# Altium PCB Fuel_Dispenser_Controller_V1.0.0.PcbDoc (part 2 of 4) (continued)
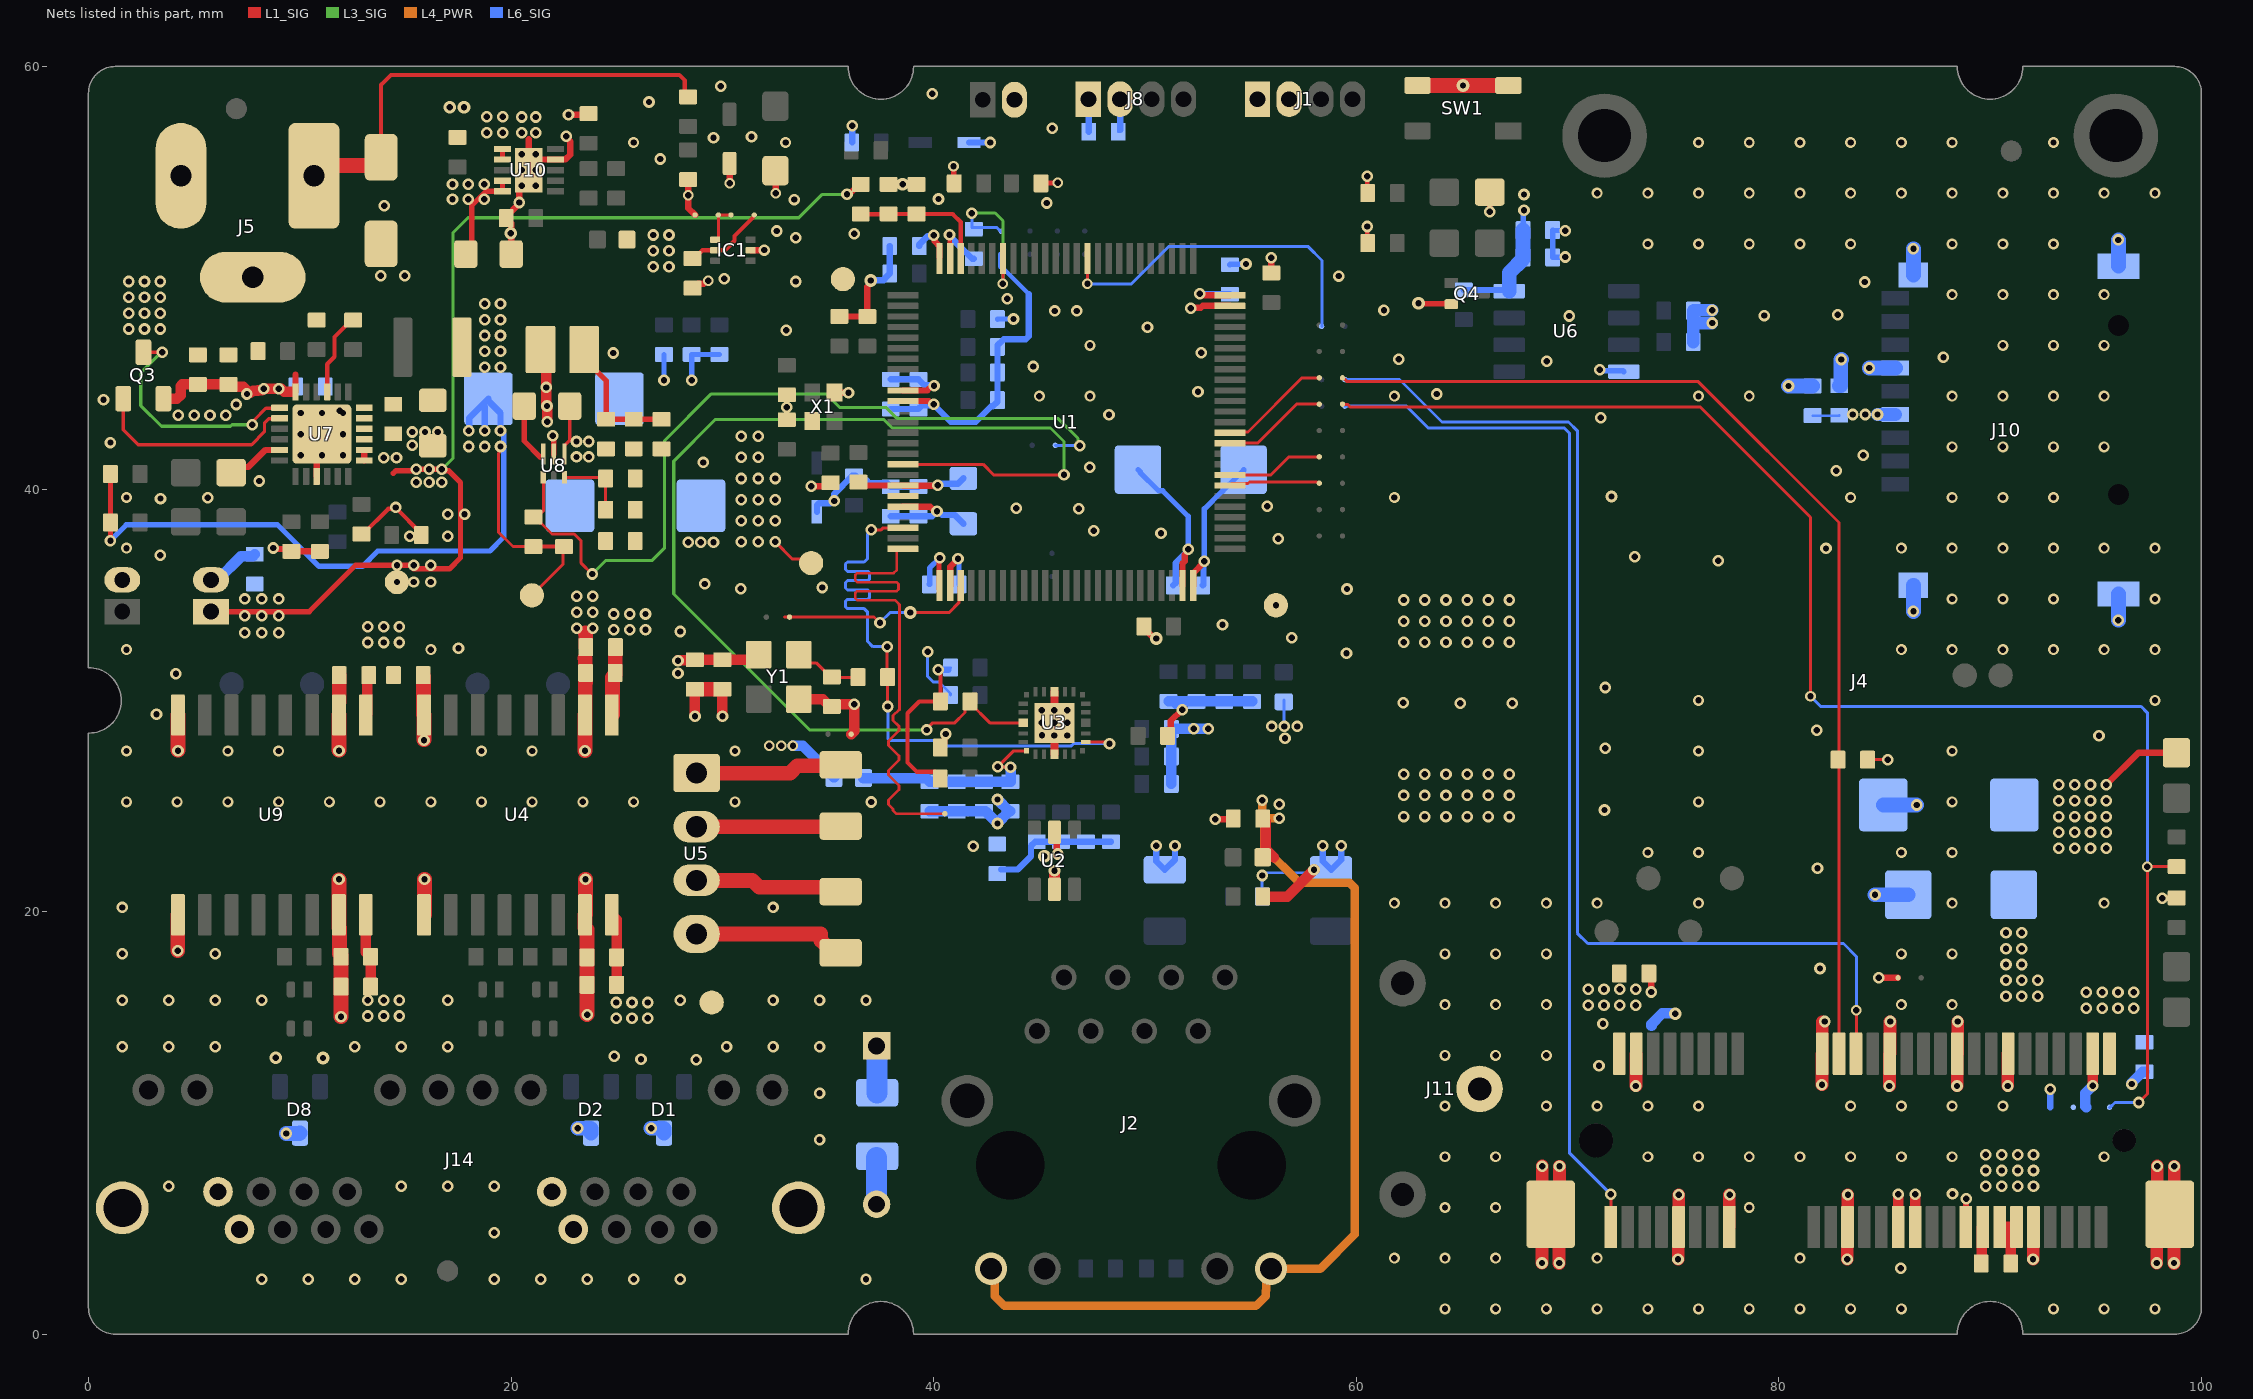
[diagram p6: the nets of this part, all layers, seen from the top]
## Nets (pads, with @x,y where several pads share a name; then routed paths per layer and width w, separated by ;. In a path a pad name is that pad's centre, name@x,y a point inside that pad or via, vN(x,y) a via of type N, cw(c..) or ccw(c..) an arc to the next point about the centre after c; other vN are vias at no path point) (continued)
  L1_SIG w0.7: U4.1@24.795,29.325 24.795,31.085 24.93,31.22 24.93,32.402 24.94,32.412 C26.2@24.94,32.515 ; U5.2@28.78,24.02 C29.2@35.57,24.02
  L4_PWR w0.4: J2.9@42.715,3.1 42.885,2.93 42.885,1.809 43.354,1.34 55.252,1.34 55.721,1.809 55.721,2.066 55.749,2.094 55.749,2.884 J2.12@55.965,3.1 58.3,3.1 59.92,4.72 59.92,21.131 59.686,21.365 57.31,21.365 55.638,23.036 55.638,24.336 55.575,24.4 ; 55.553,24.422 v1@55.553,25.186 ; 55.597,24.422 v1(56.361,24.422)
  L6_SIG w0.12: R4.2@40.7,31.45 R4.2@40.8,31.55 ; C79.2@48.74,56.91 C79.2@48.825,56.995 ; C64.2@81.6,43.48 82.85,43.48 C62.2@82.86,43.49
  L6_SIG w0.142: v1@56.59,28.88 FB4.2@56.59,30.02
  L6_SIG w0.2: 43.2,50.53 44.5,49.23
  L6_SIG w0.254: v1@28.55,45.14 R42.2@28.55,46.37 R43.2@29.86,46.37 ; v1(41.15,36.7) 41.2,36.65 C8.2@41.2,35.49 ; v1(52.81,36.58) 52.81,39.06 53.647,39.897 53.676,39.897 54.67,40.891 C12.1@54.67,40.92 ; U6.8@67.183,49.42 U6.8@67.238,49.365 ; C36.2@67.893,52.255 67.91,52.272 v1@67.91,53.2 ; 75.95,47.7 76.09,47.84 ; v1@76.83,47.84 v1(76.85,47.86)
  L6_SIG w0.3: C3.2@37.97,38.71 37.975,38.715 39.275,38.715 C4.2@39.28,38.72 39.94,38.72 40.16,38.94 v1(40.16,38.95) 40.227,38.95 40.405,38.772 40.993,38.772 C11.2@41.41,38.355 ; C9.2@37.97,43.79 C5.2@39.28,43.79 39.463,43.973 39.963,43.973 v1(40.01,44.02) 40.01,43.99 40.81,43.19 42,43.19 42.722,43.912 42.797,43.912 43.02,44.135 R23.2@43.02,44.21 R21.2@43.02,46.73 43.02,46.805 43.31,47.095 44.359,47.095 44.5,47.236 44.5,49.23 ; C10.2@39.32,51.5 39.32,51.575 39.707,51.962 39.952,51.962 v1(40,52.01) ; v1@40.18,31.45 R4.2@40.7,31.45 ; 43.2,50.53 SB25.1@43.2,51.1 ; C13.2@43.205,21.995 43.985,21.995 44.605,22.615 44.605,23.11 44.805,23.31 R6.2@44.88,23.31 R7.2@46.03,23.31 R8.2@47.21,23.31 R9.2@48.39,23.31 ; C79.2@48.825,56.995 J8.2@48.825,58.45 ; v1(52.59,49.25) 52.605,49.235 54.005,49.235 C6.2@54.02,49.22 ; C7.2@52.74,35.44 52.775,35.475 52.775,36.545 v1(52.81,36.58) ; R31.2@65.09,49.42 U6.8@67.183,49.42
  L6_SIG w0.5: v4(33.34,27.85) 33.81,27.85 35.13,26.53 35.13,26.502 35.267,26.365 FB3.2@35.295,26.365 ; R5.2@51.25,26.05 R3.2@51.25,27.35 R2.2@51.25,28.65 v1(52.31,28.65) v1(52.99,28.65)
  L6_SIG w0.6: R29.2@75.95,46.96 75.95,47.7 R30.2@75.95,48.44 75.97,48.46 v1(76.85,48.46) ; 76.09,47.84 v1@76.83,47.84 ; v1(84.67,43.53) J10.4@85.52,43.53
  L6_SIG w0.7: U6.8@67.238,49.365 67.238,50.233 67.893,50.888 C37.2@67.893,50.963 C36.2@67.893,52.255
  other v1: 56.361,25.08 55.553,25.266 56.63,28.2 56.001,28.766 56.601,28.766 57.201,28.766 27.9,31.29 40.22,31.45 13.217,32.737 13.967,32.737 14.717,32.737 24.862,33.337 25.612,33.337 26.362,33.337 13.217,33.487 13.967,33.487 14.717,33.487 24.862,34.087 25.612,34.087 26.362,34.087 83.5,43.53 84.085,43.53 28.55,45.15 26.725,50.525 27.475,50.525 26.725,51.275 27.475,51.275 26.725,52.025 27.475,52.025 67.94,53.19 67.94,53.94
  other v4: 32.22,27.85 32.78,27.85 40.94,55.27
  other v5: 45.25,22.62 56.2,34.5
3V3_SW_5: L4.1 U8.5 | length 4.4
  L1_SIG w0.254: U8.5@22.025,41.652 v1@22.025,42.52
  L1_SIG w0.5: L4.1@21.395,46.602 21.395,46.427 21.675,46.147 21.675,44.81 21.675,43.93 21.71,43.895 21.71,43.19 v1(21.72,43.18)
  other v1: 21.97,42.52 21.7,43.93 21.66,44.81
50MHz_osc_4: C67.2 R11.1 Y1.3 | length 3.3
  L1_SIG w0.142: Y1.3@33.62,32.16 34.006,31.774 34.441,31.774 34.819,31.397 35.105,31.11 C67.2@35.18,31.11 35.21,31.08 36.4,31.08 R11.1@36.42,31.1
+3V3_ISO: C27.2 C28.2 C30.2 C55.2 C56.2 U4.16 U5.4 U9.16 | length 14.3
  L1_SIG w0.5: U9.16@13.125,19.85 13.125,18.09 C55.2@13.35,17.865 C56.2@13.35,16.45 ; U4.16@24.77,19.85 24.995,19.625 C27.2@24.995,17.84 C28.2@24.995,16.538
  L1_SIG w0.7: U5.4@28.78,18.94 34.66,18.94 34.66,18.64 35.25,18.05 C30.2@35.6,18.05
  other v1: 24.975,14.95 25.725,14.95 26.475,14.95 13.217,15.063 13.967,15.063 14.717,15.063 24.975,15.7 25.725,15.7 26.475,15.7 13.217,15.813 13.967,15.813 14.717,15.813
+12V_IN: D7.1 J5.1 Q3.3 R47.2 U7.1 | length 34.9
  L1_SIG w0.15: Q3.3@2.6,46.475 v1(3.5,46.475) ; v1(7.755,43.045) 7.832,43.121 7.832,43.262 8.395,43.825 9.025,43.825 U7.1@9.05,43.85
  L1_SIG w0.2: J5.1@10.675,54.825 11.168,55.318 11.697,55.847 J5.1@11.697,56.062 ; D7.1@13.678,55.318 13.85,55.49 13.85,56.1 13.85,59.13 14.32,59.6 27.964,59.6 28.225,59.339 28.225,58.715 R47.2@28.38,58.56
  L1_SIG w0.7: J5.1@11.168,55.318 D7.1@13.678,55.318
  L3_SIG w0.15: v1(3.5,46.475) 3.45,46.475 2.475,45.5 2.475,43.95 3.455,42.97 6.72,42.97 6.794,43.045 v1(7.755,43.045)
  other v1: 1.9,47.575 2.65,47.575 3.4,47.575 1.9,48.325 2.65,48.325 3.4,48.325 1.9,49.075 2.65,49.075 3.4,49.075 1.9,49.825 2.65,49.825 3.4,49.825
+12V_VBUS: C39.2 C40.2 C75.2 Q3.2 U7.24 | length 7.7
  L1_SIG w0.3: U7.24@9.8,44.6 9.8,45.42
  L1_SIG w0.5: Q3.2@3.55,44.275 4.185,44.275 4.359,44.449 4.359,44.876 4.433,44.95 C39.2@5.175,44.95 C40.2@6.625,44.95 6.725,44.85 7.317,44.85 7.49,44.676 7.49,44.51 v1(7.5,44.5) ; v1@7.666,44.552 7.74,44.626 7.778,44.626 7.803,44.651 8.008,44.651 8.027,44.669 8.213,44.669 v1(8.294,44.75) v1(9,44.75) 9.114,44.75 9.264,44.6 9.63,44.6
  other v1: 4.25,43.5 5,43.5 5.75,43.5 6.5,43.5 7,44
A\I\R\P\L\A\N\E\_\M\O\D\E\: J4.20 R12.1 SB4.2 | length 51.5
  L1_SIG w0.142: SB4.2@59.35,45.265 59.384,45.265 59.548,45.102 76.168,45.102 82.85,38.42 J4.20@82.85,13.275
ACDRV_5: Q3.1 U7.2 | length 9.9
  L1_SIG w0.15: Q3.1@1.65,44.275 1.65,42.8 2.35,42.1 7.72,42.1 8.325,42.705 8.325,43.121 8.529,43.325 9.025,43.325 U7.2@9.05,43.35
ADD_SEL_3: IC1.4 SB19.1 SB23.1 | length 1.9
  L1_SIG w0.142: IC1.4@29.662,51.8 29.723,51.8 29.81,51.886 SB19.1@29.81,52.97 SB23.1@30.41,52.97
AIR_MOD_2: SB4.1 U1.62 | length 5.3
  L1_SIG w0.142: U1.62@54.018,42.668 54.054,42.704 54.877,42.704 57.437,45.265 SB4.1@58.25,45.265
AVDD33_4: C19.2 C20.2 C21.2 C52.2 FB3.1 U3.6 | length 9.9
  L1_SIG w0.142: v1@43.64,26.86 43.63,26.85 43.12,26.85 43.11,26.86 43.11,26.93 43.79,27.61 U3.6@44.394,27.61
  L6_SIG w0.5: FB3.1@36.68,26.32 39.64,26.32 C21.2@39.81,26.15 C20.2@41.093,26.15 C52.2@42.377,26.15 C19.2@43.63,26.15 43.64,26.15 v1(43.64,26.84)
  other v1: 43.04,26.86
BAT_+3.7V: C45.2 J6.1 R50.2 TP8.1 U7.13 U7.14 | length 52.2
  L1_SIG w0.254: J6.1@5.8,34.2 10.45,34.2 12.65,36.4 v3(15.4,36.4) ; 14.425,40.74 14.558,40.873 15.463,40.873 v1(15.52,40.93) v1(16.12,40.93) v1(16.72,40.93) 16.777,40.873 17.047,40.873 17.61,40.31 17.61,38.8 17.61,38 17.61,36.75 17.08,36.22 16.2,36.22 v3@15.4,36.22
  L1_SIG w0.3: U7.13@13.05,41.35 U7.14@13.05,41.85 ; v1(35.9,53.95) 35.948,53.998 36.053,53.998 36.465,54.41 R50.2@36.55,54.41
  L3_SIG w0.142: v1(16.72,40.93) 17.26,41.47 17.26,52.14 17.96,52.84 33.62,52.84 34.73,53.95 v1(35.9,53.95)
  other v1: 15.52,40.33 16.12,40.33 16.72,40.33 13.98,41.48 14.58,41.48
  other v3: 7.4,33.2 8.2,33.2 9,33.2 7.4,34 8.2,34 9,34 7.4,34.8 8.2,34.8 9,34.8 14.6,35.6 15.4,35.6 16.2,35.6 14.6,36.4 16.2,36.4 17,37.76 17,38.8 17.8,38.8
BAT_OUT_3.7V: C41.1 C42.1 C43.2 C47.2 C70.2 C71.2 L3.2 R26.2 R32.2 R33.2 R38.2 TP7.1 U7.15 U7.16 U8.6 U10.6 U10.7 U10.9 U10.10 | length 51.6
  L1_SIG w0.142: v1(19.5,42.015) 19.419,41.934 19.419,41.674 19.4,41.655 19.4,37.97 20.093,37.277 R26.2@21.055,37.277 ; TP7.1@20.99,34.97 22.47,36.45 R38.2@22.47,37.242
  L1_SIG w0.2: R26.2@21.055,37.277 R38.2@22.505,37.277
  L1_SIG w0.254: v1(1.04,37.56) R32.2@1.04,38.42 R33.2@1.04,40.71 ; C71.2@17.855,51.12 17.855,51.31 18.141,51.596 18.141,53.422 18.814,54.095 U10.10@19.595,54.095 U10.9@19.595,54.595 ; U10.7@19.595,55.595 U10.6@19.595,56.095 ; C47.2@20.625,43.927 20.625,42.275 21.4,41.5
  L6_SIG w0.254: v1(1.04,37.56) 1.79,38.31 8.94,38.31 10.91,36.34 12.96,36.34 13.69,37.07 15.3,37.07 19,37.07 19.655,37.725 19.655,39.123 v1@19.655,42.015 ; v1(19.5,42.015) v1@19.655,42.015 ; v1(19.5,42.765) 19.655,42.61 v1@19.655,42.015
  L6_SIG w0.3: v1(18,42.765) 18.025,42.79 18.025,43.365 C41.1@18.93,44.27 ; v1(18.75,42.765) C41.1@18.75,43.89 ; C41.1@18.93,44.17 19.5,43.6 v1(19.5,42.765)
  other v1: 18,42.015 18.75,42.015 15.33,42.07 15.33,42.7 15.93,42.7 16.53,42.7 18.75,45.765 19.5,45.765 18.75,46.515 19.5,46.515 18.75,47.265 19.5,47.265 18.75,48.015 19.5,48.015 18.75,48.765 19.5,48.765 17.23,53.72 17.98,53.72 18.73,53.72 17.23,54.42 17.98,54.42 18.73,54.42 18.855,56.863 19.605,56.863 18.855,57.613 19.605,57.613
BAT_VOLT_SENS: C58.2 R50.1 R51.2 U1.98 | length 6.6
  L1_SIG w0.2: R50.1@36.55,53.01 37.7,53.01 37.71,53.02 C58.2@39.19,53.02 40.9,53.02 41.28,52.64 U1.98@41.28,50.906
BOOT_2: R1.1 SB25.2 U1.94 | length 7.9
  L1_SIG w0.142: v4@43.28,49.716 U1.94@43.28,50.906
  L3_SIG w0.142: v1@41.822,53.06 42.91,53.06 43.278,52.692 v4(43.278,49.714)
  L6_SIG w0.142: v1@41.822,53.06 41.822,52.378 41.83,52.37 42.996,52.37 43.166,52.2 SB25.2@43.2,52.2
  other v1: 41.802,53.06
BTST_5: C38.1 U7.21 | length 3.9
  L1_SIG w0.2: U7.21@11.3,44.6 11.3,45.91 11.65,46.26 11.65,47.2 C38.1@12.457,48.007
BUCK_3V3_PG: SB3.1 U1.28 | length 9.6
  L1_SIG w0.142: 32.949,33.94 37.173,33.94 37.433,33.68 v1(37.46,33.68) ; v5@38.87,34.16 38.88,34.15 40.73,34.15 41.193,34.613 41.193,35.343 U1.28@41.28,35.43
  L6_SIG w0.142: v1(37.46,33.68) 37.94,34.16 v5@38.87,34.16
  other v5: 38.89,34.16
CHG_5: D6.2 U7.5 | length 2.8
  L1_SIG w0.3: D6.2@6.7,40.775 6.966,41.041 7.566,41.041 8.375,41.85 U7.5@9.05,41.85
CTS_2: SB7.1 U1.58 | length 4.6
  L1_SIG w0.142: U1.58@54.018,40.668 55.958,40.668 56.812,41.522 SB7.1@58.25,41.522
DTR_2: SB8.1 U1.57 | length 4.3
  L1_SIG w0.142: U1.57@54.018,40.168 54.104,40.254 54.865,40.254 54.947,40.337 58.154,40.337 58.216,40.275 SB8.1@58.25,40.275
E\C\2\0\0\U\_\R\E\S\E\T\: J4.22 SB13.2 | length 54.1
  L1_SIG w0.142: J4.22@83.65,13.275 83.67,13.295 v4(83.67,15.34)
  L6_SIG w0.142: SB13.2@59.46,45.185 62.045,45.185 64.055,43.175 70.05,43.175 70.463,42.762 70.463,18.984 70.957,18.49 83.06,18.49 83.67,17.88 v4(83.67,15.34)
EC200U_DETECTION: R28.1 SB5.2 SB21.2 | length 70.6
  L1_SIG w0.142: SB5.2@59.35,44.017 59.374,43.993 59.61,43.993 59.731,43.872 76.288,43.872 81.5,38.66 v4(81.5,30.19) ; v1(97.04,10.97) 97.448,11.378 97.448,22.112 v4(97.44,22.12) 97.45,22.13 R28.1@98.83,22.13
  L6_SIG w0.142: v4(81.5,30.19) 81.98,29.71 97.146,29.71 97.44,29.416 v4(97.44,22.12) ; SB21.2@95.65,10.74 95.684,10.74 95.914,10.97 v1(97.04,10.97)
EC200U_PWR_EN: R26.1 SB10.2 U8.1 | length 38.6
  L1_SIG w0.142: U8.1@21.525,40.552 21.525,38.964 21.238,38.677 R26.1@21.055,38.677 21.342,38.391 21.419,38.391 21.94,37.87 22.99,37.87 23.32,37.54 23.32,36.49 23.83,35.98 v1(23.84,35.98)
  L3_SIG w0.142: v1(23.84,35.98) 24.47,36.61 26.66,36.61 27.27,37.22 27.27,42.3 29.477,44.507 34.913,44.507 35.57,43.85 37.76,43.85 38.28,43.33 45.9,43.33 46.829,42.401 46.829,42.131 v1(46.91,42.05)
  L6_SIG w0.142: SB10.2@45.76,42.07 46.889,42.07 v1(46.91,42.05)
EC200U_WAKEUP_IN: J4.1 SB14.2 | length 49.5
  L1_SIG w0.142: J4.1@72.05,5.075 v1(72.05,6.62)
  L6_SIG w0.142: SB14.2@59.46,43.92 62.38,43.92 63.417,42.883 69.854,42.883 70.086,42.651 70.086,8.584 v1(72.05,6.62)
ETH_50MHz_OSC: R11.2 U1.23 U3.13 | length 30.1
  L1_SIG w0.142: v1(37.05,38.07) 37.514,38.07 37.612,38.168 U1.23@38.542,38.168 ; v6(37.8,32.54) 37.8,31.12 R11.2@37.82,31.1 v6(37.82,29.71) v6@37.83,29.7 ; U3.13@47.195,28.035 48.121,28.035 48.206,27.95 v1(48.32,27.95)
  L6_SIG w0.142: v1@37.1,38.1 36.88,37.88 36.88,36.828 36.88,36.717 36.713,36.551 35.918,36.551 35.83,36.462 35.83,36.197 35.918,36.108 36.881,36.108 36.97,36.02 36.97,35.755 36.881,35.666 35.918,35.666 35.83,35.578 35.83,35.312 35.918,35.224 36.881,35.224 36.97,35.135 36.97,34.87 36.881,34.782 35.918,34.782 35.83,34.693 35.83,34.428 35.918,34.339 36.713,34.339 36.88,34.173 36.88,34.102 36.88,32.78 37.12,32.54 v6(37.8,32.54) ; v6@37.83,29.7 37.83,28.193 37.913,28.11 40.02,28.11 40.284,27.846 46.517,27.846 46.621,27.95 v1(48.32,27.95)
ETH_PWR_DOWN: R17.1 U1.17 U3.3 | length 55.8
  L1_SIG w0.142: U1.17@38.542,41.168 42.342,41.168 42.84,40.67 v1(46.17,40.67) ; v1(39.67,28.6) 39.67,28.658 39.932,28.92 40.98,28.92 41.484,29.424 41.484,29.639 R17.1@41.72,29.875 ; R17.1@41.72,29.95 R17.1@41.72,29.875 ; U3.3@44.244,28.935 42.66,28.935 R17.1@41.72,29.875
  L3_SIG w0.142: v1(39.67,28.6) 34.13,28.6 27.7,35.03 27.7,41.32 29.68,43.3 37.63,43.3 38.04,42.89 45.53,42.89 46.17,42.25 v1(46.17,40.67)
ETH_RESET: SB17.1 U1.25 | length 24.1
  L1_SIG w0.127: 38.354,29.554 38.08,29.28 38.08,29.053 38.36,28.773 38.36,28.573 37.86,28.073 37.86,27.873 38.36,27.373 38.36,27.173 37.86,26.673 37.86,26.473 38.36,25.973 38.36,25.773 37.86,25.273 37.86,25.073 38.08,24.854 38.08,24.79 38.08,24.784 38.229,24.635 SB17.1@40.53,24.635 ; 38.354,34.529 38.354,34.551 38.163,34.741 36.38,34.741 36.295,34.826 36.295,35.083 36.38,35.168 38.249,35.168 38.335,35.253 38.335,35.51 38.249,35.595 36.38,35.595 36.295,35.68 36.295,35.937 36.38,36.022 38.11,36.022 38.259,36.171 38.259,36.383 38.259,37.081 38.345,37.168 U1.25@38.542,37.168 ; 38.384,29.554 38.384,34.529
FLASH_RESET: SB15.1 U1.86 | length 16.4
  L1_SIG w0.142: v4@47.28,49.716 U1.86@47.28,50.906
  L6_SIG w0.142: v4(47.278,49.714) 49.364,49.714 51.14,51.49 57.71,51.49 58.38,50.82 SB15.1@58.38,47.7
GND: C1.2 C2.2 C3.1 C4.1 C5.1 C6.1 C7.1 C8.1 C9.1 C10.1 C11.1 C12.2 C13.1 C14.1 C15.1 C16.1 C17.1 C18.1 C19.1 C20.1 C21.1 C22.1 C23.1 C24.1 C25.1 C26.1 C29.1 C31.2 C32.1 C33.1 C34.1 C35.2 C36.1 C37.1 C39.1 C40.1 C41.2 C42.2 C43.1 C44.1 C45.1 C46.1 C47.1 C48.1 C49.1 C50.1 C51.1 C52.1 C53.1 C54.1 C57.1 C58.1 C59.1 C60.1 C61.1 C62.1 C63.1 C64.1 C65.1 C66.1 C67.1 C68.1 C69.1 C70.1 C71.1 C72.1 C75.1 C76.1 C77.1 C78.1 C79.1 D7.2 D10.1 D11.2 D12.2 D13.2 IC1.2 J1.2 J4.4 J4.9 J4.15 J4.18 J4.21 J4.26 J4.27 J4.29 J4.34 J4.35 J4.37 J4.40 J4.43 J4.53 J4.54 J5.2 J5.3 J6.2 J8.1 J10.6 J10.MP1 J10.MP2 J10.MP3 J10.MP4 J11.2 J12.2 Q4.2 R1.2 R13.1 R18.1 R20.2 R34.1 R35.1 R36.1 R37.1 R40.1 R41.2 R49.1 R51.1 R53.1 R56.1 SB12.2 SB18.1 SB19.2 SB22.2 SW1.3 SW1.4 TP10.1 U1.10 U1.19 U1.26 U1.49 U1.74 U1.99 U2.2 U3.9 U3.21 U3.25 U4.2 U4.8 U5.1 U6.4 U7.9 U7.17 U7.18 U7.25 U8.4 U9.2 U9.8 U10.4 U10.11 X1.2 X1.4 Y1.4 ZD1.2 | length 206.8
  L1_SIG w0.142: ZD1.2@32.5,55.058 ZD1.2@32.52,55.038 ; X1.4@35.305,44.575 X1.4@35.33,44.55 ; v1(45.715,29.535) U3.25@45.719,29.539
  L1_SIG w0.15: U7.25@10.8,41.35 v1(11.05,41.6) ; U8.4@22.525,41.652 22.525,42.052 22.775,42.302 C47.1@22.775,43.927 ; U4.2@23.5,29.3 23.509,29.309 23.555,29.355 23.555,30.81 ; C26.1@23.54,32.515 23.56,32.495 23.56,31.995 ; U1.99@40.78,50.906 U1.99@40.795,50.921
  L1_SIG w0.2: R35.1@12.925,37.875 13,37.875 14.188,39.063 14.483,39.063 v1(14.55,39.13) 14.55,39.102 15.75,37.902 R34.1@15.75,37.825 15.687,37.762 v1(15.209,37.762) ; v1@31.98,51.3 v1(31.99,51.31) ; v1(40.75,52.04) 40.765,52.025 40.765,50.951 U1.99@40.795,50.921
  L1_SIG w0.254: U1.26@40.253,35.3 40.253,36.703 v1(40.29,36.74) ; v5@63,48.87 63.1,48.77 64.52,48.77 Q4.2@64.5,48.75 ; D11.2@66.317,54.01 66.32,54.008 v1(66.32,53.13) ; J4.26@85.25,13.275 J4.26@85.26,13.285 ; v1@85.26,14.79 v1(85.27,14.8)
  L1_SIG w0.3: v1(8.74,37.21) 8.788,37.162 9.488,37.162 R36.1@9.6,37.05 ; R36.1@9.6,37.15 9.7,37.05 R37.1@10.95,37.05 ; U7.9@10.8,40.6 U7.25@10.8,41.35 ; C71.1@20.005,51.12 20.005,52.585 C72.1@19.77,52.82 19.77,52.895 20.39,53.515 v1(20.39,53.56) 20.39,54.24 v1(20.5,54.35) ; U10.11@20.845,56.005 20.845,56.56 ; U10.11@21.255,55.595 22.569,55.595 22.795,55.821 22.795,56.447 22.62,56.622 v1(22.62,56.69) ; v1(22.72,57.72) 23.62,57.72 R56.1@23.67,57.77 ; R49.1@28.37,54.64 28.39,54.62 v4(28.39,53.9) 28.39,53.29 SB19.2@28.71,52.97 ; C63.1@28.59,49.51 28.665,49.51 28.865,49.71 29.126,49.71 29.276,49.86 v4(29.33,49.86) ; v4(30.343,54.466) D10.1@30.343,55.389 ; IC1.2@31.358,51.3 v1@31.98,51.3 ; v4(32.52,54) ZD1.2@32.52,55.038 ; X1.4@35.33,44.55 v1(35.97,44.55) ; C60.1@35.54,48.17 C59.1@36.86,48.17 36.86,49.582 37.02,49.742 v5(37.02,49.87) ; C65.1@36.44,40.329 36.49,40.329 36.651,40.168 U1.19@38.542,40.168 ; R51.1@37.86,54.42 C58.1@39.19,54.42 ; U1.10@38.542,44.668 39.703,44.668 39.925,44.89 v1(40.02,44.89) ; U1.19@38.558,40.164 v1@40.174,40.164 ; v1@40.174,40.184 v1@40.19,40.2 ; C16.1@40.315,27.765 40.515,27.965 40.515,28.274 40.564,28.324 v1@40.564,28.391 ; C69.1@49.95,33.5 49.95,33.425 50.445,32.93 v5(50.53,32.93) ; R18.1@51.07,28.32 51.227,28.477 51.227,29.027 v1(51.76,29.56) ; U1.49@51.78,35.43 51.78,36.49 51.88,36.59 51.88,36.89 51.925,36.935 51.925,36.957 52.05,37.082 v1(52.05,37.15) ; v1(52.16,48.55) 52.184,48.574 52.646,48.574 52.74,48.668 U1.74@54.018,48.668 ; v1(53.33,24.37) 54.145,24.37 C15.1@54.175,24.4 ; C14.1@55.575,20.713 C14.1@55.578,20.71 ; C68.1@55.98,50.23 v1(55.98,50.94) ; C33.1@73.85,17.07 73.964,16.956 v1(73.964,16.196) ; v1(84.73,16.87) SB12.2@85.64,16.87 ; J4.35@88.87,5.095 88.86,5.105 88.86,6.41 v1(88.87,6.42)
  L1_SIG w0.4: U3.9@45.719,27.46 U3.25@45.719,28.331 ; U3.25@45.719,29.539 U3.21@45.719,30.41
  L1_SIG w0.5: v1@28.7,29.258 C24.1@28.7,30.525 ; v1@30,29.258 C23.1@30,30.525 ; Y1.4@33.62,30.06 34.755,30.06 35.105,29.71 C67.1@35.18,29.71 35.28,29.81 36.216,29.81 36.226,29.82 v1(36.24,29.82) 36.24,28.54 SB18.1@36.1,28.4 ; U2.2@45.719,21.06 v1(45.72,21.94) ; C14.1@55.578,20.71 56.73,20.71 v1(58,21.98) ; J4.27@85.65,5.075 v1(85.65,6.62) ; J4.29@86.45,5.075 v1(86.45,6.62) ; C32.1@89.575,3.35 89.613,3.387 89.613,5.038 J4.37@89.65,5.075
  L1_SIG w0.6: v1(68.79,3.37) J4.53@68.79,5.665 ; J4.53@68.81,5.685 v1(68.81,7.955) v1@68.81,7.98 ; v1@69.6,3.345 v1(69.6,3.37) J4.53@69.6,5.64 ; J4.53@69.62,5.66 v1(69.62,7.955) ; v1@73.24,11.76 J4.4@73.24,13.265 ; v1@75.24,3.56 J4.9@75.24,5.065 ; J4.9@75.26,5.085 v1@75.26,6.59 ; J4.15@77.66,5.085 v1@77.66,6.59 ; v1(82.04,11.808) J4.18@82.04,13.265 ; J4.18@82.06,13.285 v1@82.06,14.79 ; v1@83.24,3.56 J4.21@83.24,5.065 ; J4.21@83.26,5.085 v1@83.26,6.59 ; v1@85.24,11.76 J4.26@85.24,13.265 ; J4.26@85.26,13.285 v1@85.26,14.79 ; v1@88.44,11.76 J4.34@88.44,13.265 ; J4.34@88.46,13.285 v1@88.46,14.79 ; v1@90.84,11.76 J4.40@90.84,13.265 ; v1@92.04,3.56 J4.43@92.04,5.065 ; v1(97.89,3.37) J4.54@97.89,5.665 ; J4.54@97.91,5.685 v1(97.91,7.955) v1@97.91,7.98 ; v1@98.7,3.345 v1(98.7,3.37) J4.54@98.7,5.64 ; J4.54@98.72,5.66 v1(98.72,7.955)
  L1_SIG w0.7: v1@4.235,27.64 U9.8@4.235,29.3 ; v1@11.855,27.64 U9.2@11.855,28.8 ; U9.2@11.855,29.3 U9.2@11.855,28.8 ; U9.2@11.864,29.3 11.864,28.809 U9.2@11.855,28.8 ; U9.2@11.87,29.925 C53.1@11.87,31.19 ; C54.1@15.84,31.19 15.84,31.115 15.855,31.1 15.855,29.325 U4.8@15.88,29.3 v1@15.88,28.131 ; v1(23.5,27.615) U4.2@23.5,29.3 ; 23.505,31.995 23.51,31.99 23.51,31.34 23.53,31.34 C25.1@23.53,31.295 23.53,30.83 23.51,30.81 23.515,30.805 23.509,30.799 23.509,29.309 U4.2@23.509,29.3 ; 23.51,33.184 23.51,33.159 23.54,33.129 C26.1@23.54,32.515 ; C24.1@28.7,30.525 C23.1@30,30.525 ; U5.1@28.78,26.56 28.79,26.55 33.2,26.55 33.55,26.9 35.55,26.9 C29.1@35.6,26.95 ; SW1.4@62.9,59.102 v5(65.05,59.102) SW1.3@67.2,59.102
  L6_SIG w0.12: J8.1@47.325,58.45 J8.1@47.34,58.435 ; C76.1@55.55,20.72 55.54,20.73 55.54,21.839 57.878,21.839 58,21.961 v1(58,21.98)
  L6_SIG w0.142: R53.1@36.125,56.4 R53.1@36.14,56.415 ; v1@39.74,32.3 39.711,32.271 39.711,31.14 39.979,30.872 40.253,30.872 40.8,30.325 R13.1@40.8,30.25 ; C17.1@51.12,29.95 51.407,29.663 51.542,29.663 51.646,29.56 v1(51.76,29.56)
  L6_SIG w0.254: v1@27.24,45.14 R41.2@27.24,46.37 ; C8.1@39.8,35.49 39.813,35.503 39.813,36.263 v1(40.29,36.74) ; R20.2@43.02,48.04 43.025,48.045 43.775,48.045 v1(43.78,48.05) ; C12.2@49.67,40.92 49.771,40.819 49.771,40.789 50.64,39.92 50.84,39.92 52.05,38.71 v1(52.05,37.15) ; C6.1@54.02,50.62 54.035,50.635 54.765,50.635 v1(54.78,50.65) ; v1(69.887,50.983) 69.877,50.973 69.303,50.973 C37.1@69.293,50.963 C36.1@69.293,52.255 69.31,52.237 69.873,52.237 v1@69.89,52.22 ; v1(71.52,45.65) 71.567,45.602 72.615,45.602 U6.4@72.662,45.555
  L6_SIG w0.3: D13.2@34.477,38.93 34.477,39.23 34.577,39.33 35.115,39.33 35.222,39.438 v1(35.29,39.438) 35.29,39.765 36.155,40.63 36.305,40.63 36.505,40.43 36.796,40.43 36.956,40.27 37.81,40.27 C3.1@37.97,40.11 37.975,40.115 39.275,40.115 C4.1@39.28,40.12 39.32,40.16 40.15,40.16 40.238,40.248 41.153,40.248 C11.1@41.41,40.505 ; R53.1@36.14,56.415 v1(36.14,57.2) ; v5(37.02,49.87) 37.035,49.885 37.633,49.885 37.66,49.912 37.66,49.94 C57.1@37.92,50.2 C10.1@37.92,51.5 ; C9.1@37.97,45.19 C5.1@39.28,45.19 39.555,44.915 39.804,44.915 39.858,44.86 39.99,44.86 v1(40.02,44.89) ; v1(40.75,52.04) 40.75,51.975 41.825,50.9 R1.2@41.9,50.9 ; D12.2@41.67,56.4 v1(42.68,56.4) ; C79.1@47.34,56.91 J8.1@47.34,58.435 ; v1(50.54,23.12) 50.54,22.38 C78.1@50.94,21.98 51.42,22.46 v1(51.42,23.12) ; C7.1@51.34,35.44 51.452,35.552 51.452,36.499 52.05,37.096 v1(52.05,37.15) ; v1(58.41,23.12) 58.41,22.38 C77.1@58.81,21.98 59.29,22.46 v1(59.29,23.12) ; SB22.2@92.84,10.74 v1(92.84,11.59)
  L6_SIG w0.5: J6.2@5.8,35.7 6.11,35.7 7.22,36.81 7.77,36.81 C45.1@7.87,36.91 ; C21.1@39.81,24.75 C52.1@42.377,24.75 42.452,24.75 v1@43.02,24.182 ; v1(43.02,24.17) v1@43.02,24.182 ; v1(43.02,25.31) 43.02,25.305 C19.1@43.575,24.75 ; C19.1@43.63,24.75 C19.1@43.575,24.75 ; C17.1@51.12,29.95 C22.1@55.07,29.95 ; 73.975,14.6 73.975,14.675 74.49,15.189 75.081,15.189 v5(75.1,15.17) ; v1(96.7,11.84) 96.71,11.85 96.71,11.905 97.225,12.42 C34.1@97.3,12.42 ; v1@43.02,24.182 43.02,24.195 C19.1@43.575,24.75
  L6_SIG w0.7: v1(80.46,44.88) C64.1@81.6,44.88 ; C62.1@82.86,44.89 82.935,44.89 82.935,46.105 v1(82.96,46.13) ; v1(84.28,45.73) J10.6@85.52,45.73 ; v1(84.555,20.8) C31.2@86.125,20.8 ; C35.2@84.95,25.05 v1(86.52,25.05) ; v1(86.37,34.21) J10.MP4@86.37,35.45 ; J10.MP1@86.37,50.13 v1(86.37,51.37) ; v1(96.07,33.79) J10.MP3@96.07,35.03 ; J10.MP2@96.07,50.55 v1(96.07,51.79)
  other v1: 85.77,3.13 75.23,3.55 83.23,3.55 92.03,3.55 75.27,6.6 77.67,6.6 83.27,6.6 88.22,6.64 73.23,11.75 85.23,11.75 88.43,11.75 90.83,11.75 71.49,12.7 82.17,14.8 88.47,14.8 81.95,17.31 55.547,21.713 81.83,22.05 41.88,23.1 71.75,24.81 37.05,25.19 4.235,27.615 11.855,27.615 71.78,27.74 15.88,28.106 45.13,28.35 45.715,28.335 46.315,28.335 95.15,28.33 40.579,28.407 81.8,28.58 45.115,28.935 45.715,28.935 46.315,28.935 28.708,29.25 30.008,29.25 3.22,29.34 45.115,29.535 46.315,29.535 64.92,29.86 67.39,29.86 62.22,29.89 71.78,30.61 4.14,31.26 59.54,32.23 39.72,32.3 17.51,32.47 56.94,32.96 28.01,33.26 23.11,33.42 23.86,33.42 53.67,33.58 23.11,34.17 23.86,34.17 23.11,34.92 23.86,34.92 30.87,35.28 59.56,35.27 34.73,35.34 29.16,35.51 77.14,36.6 73.18,36.8 3.4,36.87 82.23,37.19 28.38,37.48 28.98,37.48 29.58,37.48 56.31,37.64 50.76,37.91 47.57,38.02 46.86,39.06 43.91,39.09 55.79,39.18 3.41,39.55 5.65,39.59 72.08,39.65 40.19,40.18 8.08,40.38 82.71,40.86 47.39,41.03 29.1,41.26 23.1,41.52 23.67,41.52 10.05,41.6 12.05,41.6 84,41.6 1.04,42.2 23.1,42.25 23.67,42.25 10.05,42.6 12.05,42.6 71.57,43.37 48.3,43.51 10.05,43.6 11.05,43.6 12.05,43.6 11.9,43.7 33.05,43.869 0.71,44.22 63.81,44.5 52.51,44.6 27.24,45.15 44.72,45.8 69.02,46.05 62.01,46.14 87.79,46.243 24.84,46.44 52.66,46.45 33.02,47.51 50.12,47.66 70.08,48.19 79.31,48.21 82.79,48.25 45.73,48.43 46.77,48.43 61.31,48.47 43.49,49 84.06,49.8 33.48,49.82 30.09,49.96 13.84,50.09 14.97,50.09 59.18,50.08 33.48,51.89 36.25,52.08 32.58,52.21 69.887,52.22 14,53.4 45.35,53.54 33.41,53.7 40.23,53.73 21.17,54.35 20.5,55.1 21.17,55.1 27.06,55.62 20.5,55.85 21.17,55.85 29.58,56.62 31.38,56.67 20.5,56.86 21.17,56.86 45.62,57.07 20.5,57.61 21.17,57.61 26.53,58.32 39.94,58.71 29.93,59.07
  other v2: 64.2,1.2 66.6,1.2 69,1.2 71.4,1.2 73.8,1.2 76.2,1.2 78.6,1.2 81,1.2 83.4,1.2 85.8,1.2 93,1.2 95.4,1.2 97.8,1.2 61.8,3.6 64.2,3.6 66.6,3.6 71.4,3.6 81,3.6 64.2,6 66.6,6 78.6,6 64.2,8.4 66.6,8.4 73.8,8.4 76.2,8.4 78.6,8.4 81,8.4 83.4,8.4 85.8,8.4 88.2,8.4 95.4,8.4 64.2,10.8 69,10.8 71.4,10.8 73.8,10.8 76.2,10.8 83.4,10.8 85.8,10.8 88.2,10.8 90.6,10.8 64.2,13.2 66.6,13.2 69,13.2 64.2,15.6 66.6,15.6 69,15.6 85.8,15.6 88.2,15.6 64.2,18 66.6,18 69,18 85.8,18 88.2,18 61.8,20.4 64.2,20.4 66.6,20.4 69,20.4 71.4,20.4 76.2,20.4 88.2,20.4 95.4,20.4 73.8,22.8 76.2,22.8 85.8,22.8 88.2,22.8 1.8,25.2 4.2,25.2 6.6,25.2 9,25.2 11.4,25.2 13.8,25.2 16.2,25.2 18.6,25.2 21,25.2 23.4,25.2 25.8,25.2 30.6,25.2 76.2,25.2 88.2,25.2 1.8,27.6 6.6,27.6 9,27.6 18.6,27.6 21,27.6 30.6,27.6 76.2,27.6 88.2,27.6 76.2,30 97.8,30 1.8,32.4 16.2,32.4 85.8,32.4 88.2,32.4 90.6,32.4 93,32.4 95.4,32.4 97.8,32.4 88.2,34.8 90.6,34.8 93,34.8 97.8,34.8 1.8,37.2 85.8,37.2 88.2,37.2 90.6,37.2 93,37.2 95.4,37.2 97.8,37.2 1.8,39.6 61.8,39.6 83.4,39.6 88.2,39.6 90.6,39.6 93,39.6 88.2,42 90.6,42 93,42 95.4,42 45,44.4 47.4,44.4 61.8,44.4 76.2,44.4 78.6,44.4 88.2,44.4 90.6,44.4 93,44.4 95.4,44.4 47.4,46.8 90.6,46.8 93,46.8 95.4,46.8 88.2,49.2 90.6,49.2 93,49.2 95.4,49.2 73.8,51.6 76.2,51.6 78.6,51.6 81,51.6 83.4,51.6 88.2,51.6 90.6,51.6 93,51.6 71.4,54 73.8,54 76.2,54 78.6,54 81,54 83.4,54 85.8,54 88.2,54 90.6,54 93,54 95.4,54 97.8,54 25.8,56.4 33,56.4 76.2,56.4 78.6,56.4 81,56.4 83.4,56.4 85.8,56.4 88.2,56.4 93,56.4
  other v5: 62.95,48.795 19.98,52.11 38.53,54.42 17.104,58.072 17.774,58.072
GND_ISO: C27.1 C28.1 C30.1 C55.1 C56.1 CY1.1 D1.3 D2.3 D8.3 R19.1 TP9.1 U4.9 U4.15 U5.3 U9.9 U9.15 | length 27.9
  L1_SIG w0.142: U9.9@4.235,19.85 U9.9@4.25,19.835
  L1_SIG w0.7: v1(4.225,18.15) U9.9@4.225,19.835 ; v1@11.855,21.51 U9.15@11.855,19.85 11.855,19.25 11.88,19.225 11.88,18.01 C55.1@11.95,17.94 ; v1(11.95,15.025) C56.1@11.95,16.45 11.95,17.79 C55.1@11.95,17.865 ; U4.9@15.905,19.85 v1(15.905,21.535) ; U4.15@23.5,19.85 23.5,19.25 23.595,19.155 C27.1@23.595,17.84 C28.1@23.595,16.538 v1@23.595,15.13 ; U4.15@23.525,19.85 23.525,21.53 v1@23.53,21.535 ; U5.3@28.78,21.48 31.42,21.48 31.75,21.15 35.4,21.15 C30.1@35.6,20.95
  L6_SIG w0.7: v1(9.36,9.5) 9.99,9.5 D8.3@10.01,9.52 ; v1(23.16,9.75) 23.765,9.75 23.79,9.725 D2.3@23.79,9.52 ; v1(26.63,9.75) 27.215,9.75 27.24,9.725 D1.3@27.24,9.52
  L6_SIG w1: CY1.1@37.3,13.65 37.325,13.625 R19.1@37.325,11.425
  other v1: 28.76,12.99 26.15,13.02 24.89,13.15 23.6,15.125 11.855,21.535 23.525,21.535
  other v3: 8.2,2.6 10.4,2.6 12.6,2.6 14.8,2.6 19.2,2.6 21.4,2.6 23.6,2.6 25.8,2.6 28,2.6 36.8,2.6 19.2,4.8 3.8,7 14.8,7 17,7 19.2,7 34.6,9.2 34.6,11.4 1.6,13.6 3.8,13.6 6,13.6 12.6,13.6 14.8,13.6 17,13.6 30.2,13.6 32.4,13.6 34.6,13.6 1.6,15.8 3.8,15.8 6,15.8 8.2,15.8 17,15.8 28,15.8 32.4,15.8 34.6,15.8 36.8,15.8 1.6,18 6,18 1.6,20.2 32.4,20.2
  other v5: 11.1,13.07 8.86,13.09
GND_OR_EC200_DET_8: J4.50 SB21.1 SB22.1 | length 2.7
  L1_SIG w0.5: v1(94.85,11.76) J4.50@94.85,13.275
  L6_SIG w0.5: SB21.1@94.55,10.74 94.5,10.79 94.5,11.41 v1(94.85,11.76)
GND_SHEILD: CY1.2 J14.7 J14.8 J14.19 J14.20 J14.25 J14.26 R19.2 | length 2.2
  L6_SIG w1: CY1.2@37.3,6.15 R19.2@37.3,8.35
GSM_DET_2: SB5.1 U1.61 | length 5
  L1_SIG w0.142: U1.61@54.018,42.168 55.328,42.168 57.177,44.017 SB5.1@58.25,44.017